# Altium PCB LAB_B3_209_V1.PcbDoc (part 1 of 4) (continued)
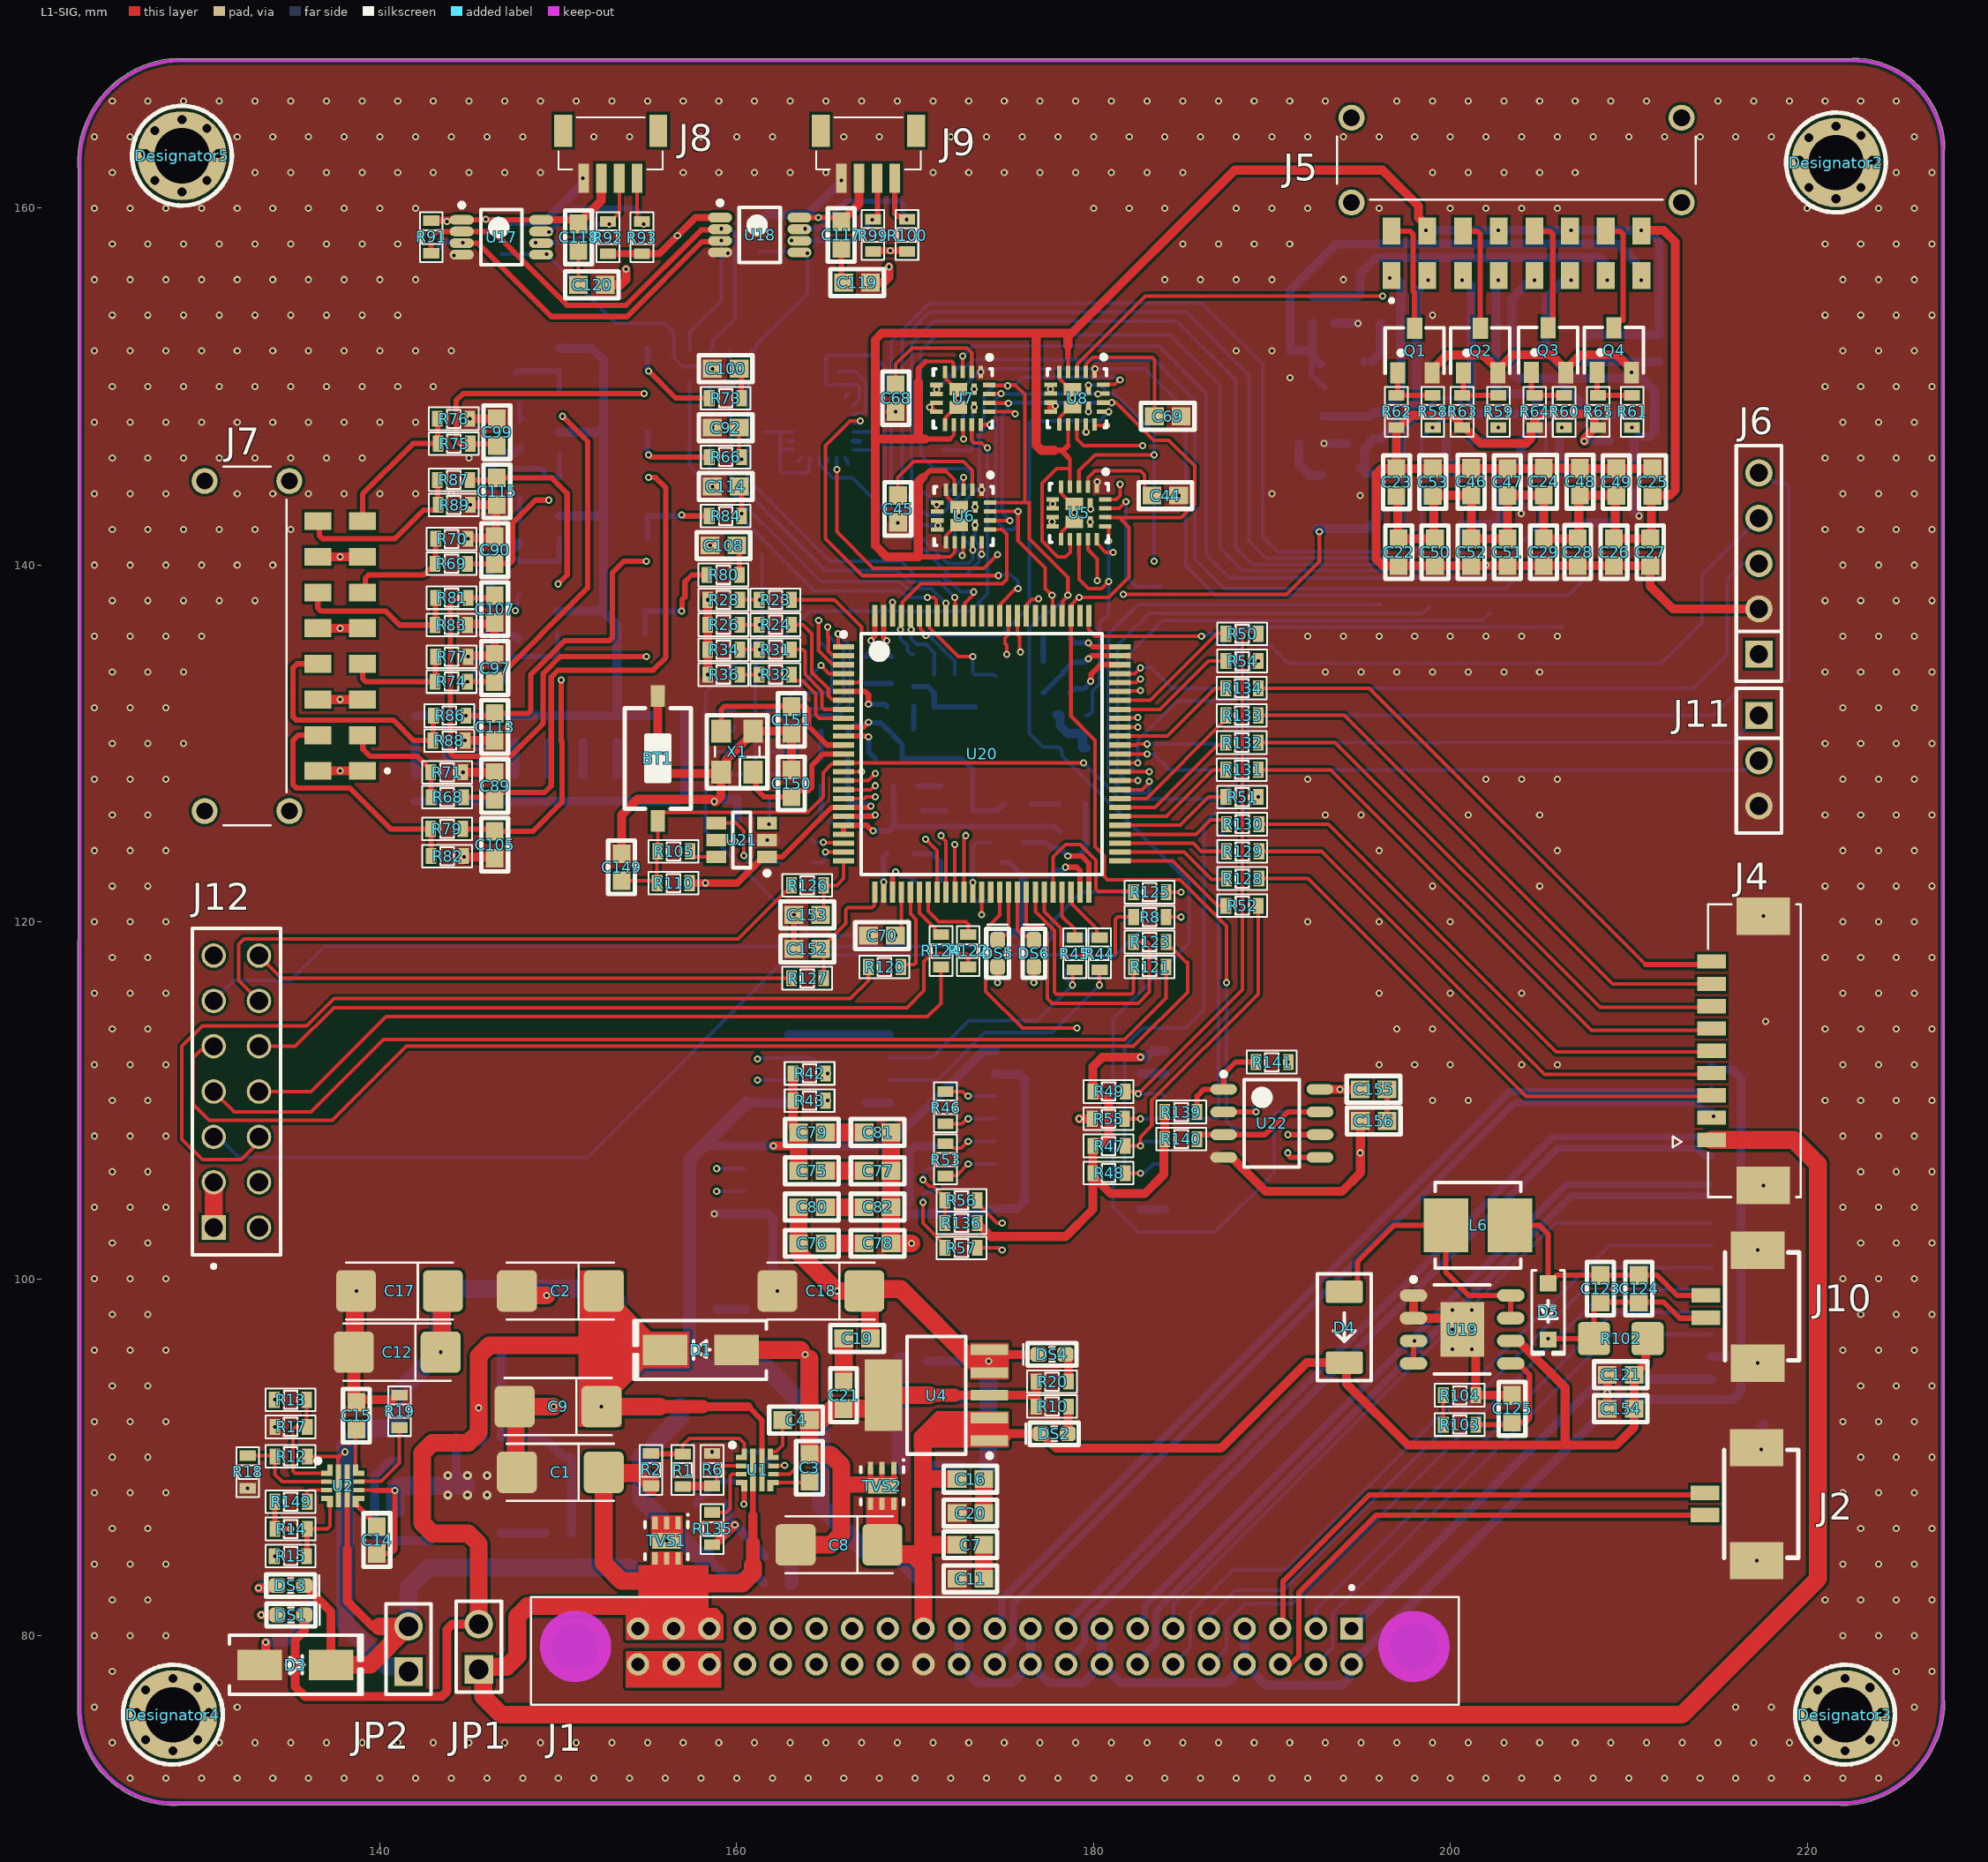
[diagram p0: L1-SIG view]
## Components (designator, comment, footprint, x,y, rotation, side; value= is the part's Value field where it differs from the comment) (continued)
D2 "SS54" "DIODE SMA" 152.653,90.043 r180 bottom
D3 "SS54" "DIODE SMA" 135.255,78.359 r0 top
D4 "SS54" "DO-214AC-2 (SMA)" 194.056,97.282 r270 top
D5 "1N4148W-TP" "DIODE SOD-123" 205.486,98.171 r270 top
Designator2 "Comment" HOLE 224.282,162.941 r0 top
Designator3 "Comment" HOLE 224.79,75.946 r0 top
Designator4 "Comment" HOLE 131.064,75.946 r0 top
Designator5 "Comment" HOLE 131.572,163.322 r0 top
DS1 "RED" LED-SMD-0603 135.013,81.153 r180 top
DS2 "RED" LED-SMD-0603 177.8,91.313 r0 top
DS3 "RED" LED-SMD-0603 135.001,82.804 r180 top
DS4 "YELLOW" LED-SMD-0603 177.673,95.758 r0 top
DS5 "GREEN" LED-SMD-0603 174.625,118.237 r270 top
DS6 "BLUE" LED-SMD-0603 176.657,118.237 r270 top
J1 "M80-5114242" HARWIN_M80-5114242 174.466,79.391 r180 top
J2 "0532610271" CON4_653104131822_SMD 215.72,88.626 r90 top
J3 "532611571" MOLEX_532611571 217.043,103.124 r270 bottom
J4 "532610971" MOLEX_532610971 217.043,112.776 r90 top
J5 "M80-6661642" HARWIN_M80-6661642 203.708,163.068 r180 top
J6 "JP5" "JP 1x5 CT" 217.297,135.001 r90 top
J7 "M80-6661642" HARWIN_M80-6661642 132.175,135.461 r270 top
J8 "BM04B-SRSS-TB" BM04B-SRSS-TB 151.543,161.671 r0 top
J9 "BM04B-SRSS-TB" BM04B-SRSS-TB 165.989,161.671 r0 top
J10 "532610271" CON4_653104131822_SMD 215.773,99.695 r90 top
J11 "JP3" "JP 1x3 CT" 217.297,131.572 r270 top
J12 "ESQ-107-48-G-D" SAMTEC_ESQ-107-48-G-D 130.683,102.87 r270 top
JP1 "JP 1x2 2.54" "JP 1x2 DT" 145.541,78.105 r90 top
JP2 "JP 1x2 2.54" "JP 1x2 DT" 141.604,77.978 r90 top
L1 "INDUCT-SMD" "INDUCTOR-FIXED IND 22UH 2.5A 170 MOHM SMD" 146.303,96.139 r180 bottom
L2 "1uH" "INDUCTOR-FIXED IND 1UH 4A 38 MOHM SMD" 192.532,143.51 r270 bottom
L3 "1uH" "INDUCTOR-FIXED IND 1UH 4A 38 MOHM SMD" 200.66,143.764 r270 bottom
L4 "1uH" "INDUCTOR-FIXED IND 1UH 4A 38 MOHM SMD" 207.264,143.764 r270 bottom
L5 "1uH" "INDUCTOR-FIXED IND 1UH 4A 38 MOHM SMD" 194.183,151.257 r180 bottom
L6 "82uH" INDUCTOR-SRR4828A-820M 201.549,102.997 r0 top
L7 "10uH/250mA" INDUCT-SMD-0603 178.816,125.095 r180 bottom
Q1 "AO3400A" SOT-23 197.993,152.019 r0 top
Q2 "AO3400A" SOT-23 201.676,152.019 r0 top
Q3 "AO3400A" SOT-23 205.481,152.039 r0 top
Q4 "AO3400A" SOT-23 209.164,152.039 r0 top
R1 "11K" RES-SMD-0603 156.971,89.281 r270 top
R2 "470K" RES-SMD-0603 155.193,89.281 r90 top
R3 "10K" RES-SMD-0603 158.622,87.376 r180 bottom
R4 "22R" RES-SMD-0603 158.622,88.646 r180 bottom
R5 "4.7K" RES-SMD-0603 135.255,81.153 r180 bottom
R6 "47K" RES-SMD-0603 158.622,89.281 r90 top
R7 "1K" RES-SMD-0603 159.511,90.297 r0 bottom
R8 "22R" RES-SMD-0603 183.134,120.269 r0 top
R9 "10K" RES-SMD-0603 140.969,90.678 r90 bottom
R10 "2.2K" RES-SMD-0603 177.673,92.837 r0 top
R11 "3.24K" RES-SMD-0603 140.969,86.233 r270 bottom
R12 "470K" RES-SMD-0603 135.001,90.043 r0 top
R13 "120R" RES-SMD-0603 135.001,93.218 r180 top
R14 "10K" RES-SMD-0603 135.001,85.979 r0 top
R15 "22R" RES-SMD-0603 135.001,84.455 r180 top
R16 "2.2K" RES-SMD-0603 135.255,82.804 r180 bottom
R17 "10K" RES-SMD-0603 135.001,91.694 r0 top
R18 "130K" RES-SMD-0603 132.588,89.154 r90 top
R19 "1K" RES-SMD-0603 141.096,92.583 r270 top
R20 "2.2K" RES-SMD-0603 177.673,94.234 r0 top
R21 "22R" RES-SMD-0603 160.782,131.826 r180 bottom
R22 "22R" RES-SMD-0603 160.782,130.683 r180 bottom
R23 "22R" RES-SMD-0603 162.179,138.049 r180 top
R24 "22R" RES-SMD-0603 162.179,136.652 r180 top
R25 "10K" RES-SMD-0603 157.988,130.683 r0 bottom
R26 "10K" RES-SMD-0603 159.258,136.652 r0 top
R27 "10K" RES-SMD-0603 157.988,131.826 r0 bottom
R28 "10K" RES-SMD-0603 159.258,138.049 r0 top
R29 "22R" RES-SMD-0603 160.782,128.27 r180 bottom
R30 "22R" RES-SMD-0603 160.782,129.54 r180 bottom
R31 "22R" RES-SMD-0603 162.179,135.255 r180 top
R32 "22R" RES-SMD-0603 162.179,133.858 r180 top
R33 "10K" RES-SMD-0603 157.988,128.27 r0 bottom
R34 "10K" RES-SMD-0603 159.258,135.255 r0 top
R35 "10K" RES-SMD-0603 157.988,129.54 r0 bottom
R36 "10K" RES-SMD-0603 159.258,133.858 r0 top
R37 "4.7K" RES-SMD-0603 164.846,150.876 r180 bottom
R38 "4.7K" RES-SMD-0603 177.927,130.683 r90 bottom
R39 "22R" RES-SMD-0603 161.544,146.558 r90 bottom
R40 "4.7K" RES-SMD-0603 179.959,118.237 r90 bottom
R41 "4.7K" RES-SMD-0603 178.435,118.237 r90 bottom
R42 "10K" RES-SMD-0603 164.084,111.506 r180 top
R43 "10K" RES-SMD-0603 164.084,109.982 r180 top
R44 "22R" RES-SMD-0603 180.34,118.237 r270 top
R45 "22R" RES-SMD-0603 178.943,118.237 r270 top
R46 "120R" RES-SMD-0603 171.704,109.601 r270 top
R47 "4.7K" RES-SMD-0603 180.848,107.442 r0 top
R48 "4.7K" RES-SMD-0603 180.848,105.918 r0 top
R49 "4.7K" RES-SMD-0603 180.848,110.49 r0 top
R50 "22R" RES-SMD-0603 188.341,136.144 r180 top
R51 "22R" RES-SMD-0603 188.341,127 r180 top
R52 "22R" RES-SMD-0603 188.341,120.904 r180 top
R53 "120R" RES-SMD-0603 171.704,106.68 r270 top
R54 "22R" RES-SMD-0603 188.341,134.62 r180 top
R55 "4.7K" RES-SMD-0603 180.848,108.966 r180 top
R56 "22R" RES-SMD-0603 172.593,104.394 r180 top
R57 "22R" RES-SMD-0603 172.593,101.727 r180 top
R58 "120R" RES-SMD-0603 199.009,148.59 r90 top
R59 "120R" RES-SMD-0603 202.692,148.59 r90 top
R60 "120R" RES-SMD-0603 206.375,148.59 r90 top
R61 "120R" RES-SMD-0603 210.185,148.59 r90 top
R62 "10K" RES-SMD-0603 196.977,148.59 r90 top
R63 "10K" RES-SMD-0603 200.66,148.59 r90 top
R64 "10K" RES-SMD-0603 204.724,148.59 r90 top
R65 "10K" RES-SMD-0603 208.28,148.59 r90 top
R66 "22R" RES-SMD-0603 159.385,146.05 r180 top
R67 "22R" RES-SMD-0603 147.828,144.653 r270 bottom
R68 "22R" RES-SMD-0603 143.764,126.988 r0 top
R69 "22R" RES-SMD-0603 144.018,140.069 r180 top
R70 "10K" RES-SMD-0603 144.018,141.466 r0 top
R71 "10K" RES-SMD-0603 143.764,128.385 r180 top
R72 "22R" RES-SMD-0603 147.828,149.987 r270 bottom
R73 "22R" RES-SMD-0603 159.385,149.352 r180 top
R74 "22R" RES-SMD-0603 144.018,133.465 r180 top
R75 "22R" RES-SMD-0603 144.145,146.8 r0 top
R76 "10K" RES-SMD-0603 144.145,148.197 r180 top
R77 "10K" RES-SMD-0603 144.018,134.862 r0 top
R78 "22R" RES-SMD-0603 146.304,134.747 r180 bottom
R79 "22R" RES-SMD-0603 143.764,125.21 r180 top
R80 "22R" RES-SMD-0603 159.258,139.446 r180 top
R81 "22R" RES-SMD-0603 144.018,138.164 r0 top
R82 "10K" RES-SMD-0603 143.764,123.686 r0 top
R83 "10K" RES-SMD-0603 144.018,136.64 r180 top
R84 "22R" RES-SMD-0603 159.385,142.748 r180 top
R85 "22R" RES-SMD-0603 147.828,139.319 r270 bottom
R86 "22R" RES-SMD-0603 143.891,131.56 r0 top
R87 "22R" RES-SMD-0603 144.145,144.768 r180 top
R88 "10K" RES-SMD-0603 143.891,130.163 r180 top
R89 "10K" RES-SMD-0603 144.145,143.371 r0 top
R90 "4.7K" RES-SMD-0603 142.875,158.369 r90 bottom
R91 "4.7K" RES-SMD-0603 142.875,158.369 r90 top
R92 "4.7K" RES-SMD-0603 152.781,158.369 r270 top
R93 "4.7K" RES-SMD-0603 154.686,158.369 r270 top
R94 "22R" RES-SMD-0603 158.496,151.13 r90 bottom
R95 "22R" RES-SMD-0603 157.353,151.13 r90 bottom
R96 "22R" RES-SMD-0603 159.639,151.13 r90 bottom
R97 "22R" RES-SMD-0603 160.782,151.13 r270 bottom
R98 "10K" RES-SMD-0603 146.812,158.369 r270 bottom
R99 "4.7K" RES-SMD-0603 167.64,158.496 r270 top
R100 "4.7K" RES-SMD-0603 169.545,158.496 r270 top
R101 "10K" RES-SMD-0603 161.29,158.496 r270 bottom
R102 "0.2R" RES_1206 209.55,96.647 r180 top
R103 "1K" RES-SMD-0603 200.533,91.821 r180 top
R104 "10K" RES-SMD-0603 200.533,93.472 r180 top
R105 "22R" RES-SMD-0603 156.464,123.952 r0 top
R106 "22R" RES-SMD-0603 163.322,124.587 r180 bottom
R107 "22R" RES-SMD-0603 163.322,123.317 r180 bottom
R108 "16.5k 1%" RES-SMD-0603 160.909,125.73 r0 bottom
R109 "19.1k 1%" RES-SMD-0603 160.909,126.873 r0 bottom
R110 "10K" RES-SMD-0603 156.464,122.174 r180 top
R111 "2.2K" RES-SMD-0603 174.625,118.491 r270 bottom
R112 "2.2K" RES-SMD-0603 176.657,118.491 r90 bottom
R113 "22R" RES-SMD-0603 188.341,130.048 r180 bottom
R114 "22R" RES-SMD-0603 188.379,128.524 r180 bottom
R115 "22R" RES-SMD-0603 188.341,133.096 r180 bottom
R116 "22R" RES-SMD-0603 188.341,135.509 r180 bottom
R117 "22R" RES-SMD-0603 188.341,131.572 r180 bottom
R118 "10K/DNP" RES-SMD-0603 173.355,132.969 r270 bottom
R119 "10K" RES-SMD-0603 174.498,132.842 r90 bottom
R120 "22R" RES-SMD-0603 168.275,117.475 r0 top
R121 "22R" RES-SMD-0603 183.134,117.475 r0 top
R122 "22R" RES-SMD-0603 172.974,118.364 r90 top
R123 "22R" RES-SMD-0603 183.134,118.872 r0 top
R124 "22R" RES-SMD-0603 171.45,118.364 r90 top
R125 "22R" RES-SMD-0603 183.134,121.666 r0 top
R126 "22R" RES-SMD-0603 163.957,122.047 r0 top
R127 "22R" RES-SMD-0603 163.957,116.84 r0 top
R128 "22R" RES-SMD-0603 188.341,122.428 r0 top
R129 "22R" RES-SMD-0603 188.341,123.952 r0 top
R130 "22R" RES-SMD-0603 188.341,125.476 r0 top
R131 "22R" RES-SMD-0603 188.303,128.524 r0 top
R132 "22R" RES-SMD-0603 188.303,130.048 r0 top
R133 "22R" RES-SMD-0603 188.303,131.572 r0 top
R134 "22R" RES-SMD-0603 188.303,133.096 r0 top
R135 "10K" RES-SMD-0603 158.622,85.979 r90 top
R136 "4.7K" RES-SMD-0603 172.593,103.124 r180 top
R137 "10K/DNP" RES-SMD-0603 175.133,124.46 r0 bottom
R138 "10K/DNP" RES-SMD-0603 175.133,121.158 r0 bottom
R139 "4.7K" RES-SMD-0603 184.912,109.347 r180 top
R140 "4.7K" RES-SMD-0603 184.912,107.823 r180 top
R141 "22R" RES-SMD-0603 189.992,112.141 r0 top
R142 "22R" RES-SMD-0603 189.992,108.077 r180 bottom
R143 "22R" RES-SMD-0603 189.992,106.934 r180 bottom
R144 "22R" RES-SMD-0603 189.992,109.347 r0 bottom
R145 "4.7K" RES-SMD-0603 179.578,130.683 r270 bottom
R146 "4.7K" RES-SMD-0603 169.926,134.112 r270 bottom
R147 "4.7K" RES-SMD-0603 171.069,132.969 r270 bottom
R148 "4.7K" RES-SMD-0603 172.212,132.969 r270 bottom
R149 "10K" RES-SMD-0603 135.001,87.503 r0 top
TVS1 "TVS2200DRVR" TVS2200DRVR 156.067,85.323 r270 top
TVS2 "TVS2200DRVR" TVS2200DRVR 168.147,88.392 r270 top
TVS3 "DIODE-S2303" "DIODE SOT23" 153.797,157.861 r0 bottom
TVS4 "DIODE-S2303" "DIODE SOT23" 168.529,158.115 r0 bottom
U1 "TPS259470ARPWR" VQFN-HR-10 161.158,89.281 r0 top
U2 "TPS259470ARPWR" VQFN-HR-10 137.921,88.392 r0 top
U3 "TPS5430DDAR" TPS5430DDAR 144.906,88.425 r90 bottom
U4 "TPS7A4533DCQR" TPS7A4533DCQR 171.196,93.472 r180 top
U5 "LT8722AV#PBF" LT8722AV#PBF 179.181,142.924 r270 top
U6 "LT8722AV#PBF" LT8722AV#PBF 172.72,142.748 r270 top
U7 "LT8722AV#PBF" LT8722AV#PBF 172.671,149.34 r270 top
U8 "LT8722AV#PBF" LT8722AV#PBF 179.07,149.352 r270 top
U9 "ADG1414BCPZ-REEL7" ADG1414BCPZ-REEL7 164.846,147.701 r90 bottom
U11 "ISO1042BQDWVRQ1" ISO1042BQDWVRQ1 165.735,105.537 r180 bottom
U12 "ISO1432DW" ISO1432DW 179.248,108.331 r180 bottom
U13 "OPA2340UA" SOIC-8 152.527,145.542 r270 bottom
U14 "OPA2340UA" SOIC-8 152.527,150.241 r270 bottom
U15 "OPA2340UA" SOIC-8 152.4,135.509 r270 bottom
U16 "OPA2340UA" SOIC-8 152.527,140.843 r270 bottom
U17 "PCA9508DP,118" PCA9508DP,118 146.812,158.369 r0 top
U18 "PCA9508DP,118" PCA9508DP,118 161.29,158.496 r0 top
U19 "AL8843SP-13" AL8843SP-13 200.66,97.155 r0 top
U20 "STM32F407VGT7" STM-LQFP100_V 173.736,129.413 r0 top
U21 "TPL5010DDCR" TPL5010DDCR 160.274,124.587 r180 top
U22 "MB85RS2MTAPNF-G-BDERE1" MB85RS2MTAPNF-G-BDERE1 189.992,108.712 r0 top
X1 "8MHz" CRYSTAL-4POS-3.2x2.5 160.02,129.54 r90 top

## Footprints (in the part's own frame and the unit in brackets; to place one, negate y for a bottom-side part, rotate by r counter-clockwise, add the part's x,y. Pads: shape width x height; smd on the part's side, far side on the other; paste and mask are expansions set on the pad)
ADG1414BCPZ-REEL7 [mm] "PQFN, 24-Leads, Body 4.00x4.00mm, Pitch 0.50mm, Thermal Pad 2.50x2.50mm, IPC Medium Density"
  oval 0.4x0.35 smd: 1(-1.7,1.25) 2(-1.7,0.75) 3(-1.7,0.25) 4(-1.7,-0.25) 5(-1.7,-0.75) 6(-1.7,-1.25) 13(1.7,-1.25) 14(1.7,-0.75) 15(1.7,-0.25) 16(1.7,0.25) 17(1.7,0.75) 18(1.7,1.25)
  oval 0.35x0.4 smd: 7(-1.25,-1.7) 8(-0.75,-1.7) 9(-0.25,-1.7) 10(0.25,-1.7) 11(0.75,-1.7) 12(1.25,-1.7) 19(1.25,1.7) 20(0.75,1.7) 21(0.25,1.7) 22(-0.25,1.7) 23(-0.75,1.7) 24(-1.25,1.7)
  rect 2.5x2.5 smd: 25(0,0)
  silkscreen extent -2.77,-2 2,2, body extent -2,-2 2,2, height 0.75
ADUM1250WSRZ [mm]
  oval 1.65x0.6 smd: 1(-2.825,1.905) 2(-2.825,0.635) 3(-2.825,-0.635) 4(-2.825,-1.905) 5(2.825,-1.905) 6(2.825,-0.635) 7(2.825,0.635) 8(2.825,1.905)
  silkscreen extent -2.95,-2.5 1.6,2.88, body extent -3,-2.5 3,2.5, height 1.75
AL8843SP-13 [mm]
  oval 1.55x0.7 smd: 1(-2.725,1.905) 2(-2.725,0.635) 3(-2.725,-0.635) 4(-2.725,-1.905) 5(2.725,-1.905) 6(2.725,-0.635) 7(2.725,0.635) 8(2.725,1.905)
  rect 2.45x3.05 smd: 9(0,0)
  silkscreen extent -2.85,-2.5 1.55,2.93, body extent -3.05,-2.5 3.05,2.5, height 1.63
BM04B-SRSS-TB [mm]
  rect 0.6x1.64 smd: 1(-0.127,0) 2(0.873,0) 3(1.873,0) 4(2.873,0)
  rect 1x1.8 smd: MH(-1.27,2.667) MH(4.064,2.667)
  silkscreen extent -1.52,0.51 4.32,3.43, body extent -1.52,0.51 4.32,3.43, height 6.3
CAP-CER-0603 [mm] "Chip Capacitor, 2-Leads, Body 1.60x0.80mm, IPC Medium Density"
  rect 1.05x1 smd: 1(-0.75,0) 2(0.75,0)
  silkscreen extent -1.5,-0.75 1.5,0.75, body extent -0.87,-0.48 0.87,0.48, height 0.95
CAP-TAN-2312 [mm]
  rrect25% 2.24x2.32 smd: 1(-2.435,0) 2(2.435,0)
  silkscreen extent -3,-1.6 3,1.6, body extent -3,-1.6 3,1.6, height 2.8
CON4_653104131822_SMD [mm] "CONNECTOR"
  rect 0.81x1.6 smd: 1(-1.875,1.45) 2(-0.625,1.45)
  rect 2.1x3 smd: 3(-4.425,-1.45) 4(1.905,-1.45)
  silkscreen extent -4.27,-3.78 1.78,0.38, body extent -4.19,-3.73 1.65,0.43, height 1.25
CRYSTAL-4POS-3.2x2.5 [mm]
  rect 1.3x1.1 smd: 1(-1.15,-0.9) 2(1.15,-0.9) 3(1.15,0.9) 4(-1.15,0.9)
  silkscreen extent -2.06,-1.73 2.05,1.7, body extent -1.6,-1.25 1.6,1.25, height 0.8
"DIODE SMA" [mm] "SMA"
  rect 2.5x1.7 smd: 1(-2,0) 2(2,0)
  silkscreen extent -3.68,-1.65 3.75,1.65, body extent -2.6,-1.37 2.6,1.37, height 2.4
"DIODE SOD-123" [mm] "SOD-123"
  rect 0.9x0.95 smd: 1(-1.575,0) 2(1.575,0)
  silkscreen extent -2.3,-0.92 2.41,0.92, body extent -1.86,-0.78 1.86,0.77, height 1.35
"DIODE SOT23" [mm] "SOT 23 _ 1-3-2"
  rect 0.85x1.2 smd: 1(-0.94,-1.245) 2(0.985,-1.25) 3(0.005,1.25)
  silkscreen extent -1.65,-1.27 1.65,1.27, body extent -1.47,-1.33 1.53,1.17, height 1.06
"DO-214AC-2 (SMA)" [mm]
  rrect25% 1.27x2.1 smd: A(-1.985,0) K(1.985,0)
  silkscreen extent -3,-1.5 3,1.5, body extent -2.6,-1.3 2.6,1.3, height 2.42
HARWIN_M80-5114242 [mm]
  rect 1.258x1.258 / inner round 1.258 / far side rect 1.258x1.258 hole 0.75: 1(-20,-1)
  round 1.258 hole 0.75: 2(-18,-1) 3(-16,-1) 4(-14,-1) 5(-12,-1) 6(-10,-1) 7(-8,-1) 8(-6,-1) 9(-4,-1) 10(-2,-1) 11(0,-1) 12(2,-1) 13(4,-1) 14(6,-1) 15(8,-1) 16(10,-1) 17(12,-1) 18(14,-1) 19(16,-1) 20(18,-1) 21(20,-1) 22(-20,1) 23(-18,1) 24(-16,1) 25(-14,1) 26(-12,1) 27(-10,1) 28(-8,1) 29(-6,1) 30(-4,1) 31(-2,1) 32(0,1) 33(2,1) 34(4,1) 35(6,1) 36(8,1) 37(10,1) 38(12,1) 39(14,1) 40(16,1) 41(18,1) 42(20,1)
  round 2.3 hole 2.3 unplated: ""(-23.5,0) ""(23.5,0)
  Keep-Out Layer circle w2: c23.5,0 r1
  Keep-Out Layer circle w2: c-23.5,0 r1
  Keep-Out Layer circle w2: c-23.5,0 r1
  Keep-Out Layer circle w2: c23.5,0 r1
  silkscreen extent -26,-3.4 26,3.27
HARWIN_M80-6661642 [mm]
  rect 1x1.5 smd: 1(7,6.85) 2(5,6.85) 3(3,6.85) 4(1,6.85) 5(-1,6.85) 6(-3,6.85) 7(-5,6.85) 8(-7,6.85) 9(7,4.35) 10(5,4.35) 11(3,4.35) 12(1,4.35) 13(-1,4.35) 14(-3,4.35) 15(-5,4.35) 16(-7,4.35)
  round 1.458 hole 0.95: SH1(-9.25,2.75) SH2(9.25,2.75) SH3(-9.25,-2) SH4(9.25,-2)
  silkscreen extent -10.05,-0.95 10.05,8.35
HOLE [mm]
  round 0.5 hole 0.5: Hole(-4.699,-0.254) Hole(-4.191,-1.778) Hole(-4.191,1.016) Hole(-2.667,-2.413) Hole(-2.667,1.651) Hole(-1.27,-1.778) Hole(-1.27,1.143) Hole(-0.635,-0.254)
  round 5 hole 3.1: Hole(-2.667,-0.381)
  silkscreen extent -5.46,-3.18 0.13,2.41
INDUCT-SMD-0603 [mm]
  rect 1x0.97 smd: 1(-0.735,0) 2(0.735,0)
  body extent -0.8,-0.4 0.8,0.4, height 0.95
"INDUCTOR-FIXED IND 1UH 4A 38 MOHM SMD" [mm]
  rect 1.85x3 smd: 1(-1.475,0) 2(1.475,0)
  silkscreen extent -0.15,-1.75 0.15,1.75, body extent -1.85,-1.75 1.85,1.75, height 2.1
"INDUCTOR-FIXED IND 22UH 2.5A 170 MOHM SMD" [mm]
  rect 2.7x3.1 smd: 1(-2.95,0) 2(2.95,0)
  silkscreen extent -3.65,-3.3 3.65,3.3, body extent -3.75,-3.3 3.75,3.3, height 4.9
INDUCTOR-SRR4828A-820M [mm] "Precision Wire Wound Inductor, 2-Leads, Body 4.80x4.80mm, IPC Medium Density"
  rect 2.5x3 smd: 1(-1.8,0) 2(1.8,0)
  silkscreen extent -2.4,-2.4 2.4,2.4, body extent -2.5,-2.4 2.5,2.4, height 2.9
ISO1042BQDWVRQ1 [mm]
  oval 1.8x0.6 smd: 1(-5.3,1.905) 2(-5.3,0.635) 3(-5.3,-0.635) 4(-5.3,-1.905) 5(5.3,-1.905) 6(5.3,-0.635) 7(5.3,0.635) 8(5.3,1.905)
  silkscreen extent -5.43,-3 4,3, body extent -5.75,-3 5.75,3, height 2.8
ISO1432DW [mm]
  rect 1.9x0.6 smd: 1(-4.75,4.445) 2(-4.75,3.175) 3(-4.75,1.905) 4(-4.75,0.635) 5(-4.75,-0.635) 6(-4.75,-1.905) 7(-4.75,-3.175) 8(-4.75,-4.445) 9(4.75,-4.445) 10(4.75,-3.175) 11(4.75,-1.905) 12(4.75,-0.635) 13(4.75,0.635) 14(4.75,1.905) 15(4.75,3.175) 16(4.75,4.445)
  silkscreen extent -4.88,-5.25 3.4,5.42, body extent -5.15,-5.25 5.15,5.25, height 2.65
"JP 1x2 DT" [mm] "2 pins, 1 row, straight, gold plating"
  rect 1.6x1.6 hole 1.1: 1(0,0)
  round 1.6 hole 1.1: 2(2.54,0)
  silkscreen extent -1.27,-1.27 3.81,1.27, body extent -1.27,-1.27 3.81,1.27, height 8.54
"JP 1x3 CT" [mm]
  rect 1.52x1.52 hole 1.02: 1(0,0)
  round 1.52 hole 1.02: 2(2.54,0) 3(5.08,0)
  silkscreen extent -1.52,-1.27 6.6,1.27, body extent -1.52,-1.25 6.6,1.25, height 8.51
"JP 1x5 CT" [mm]
  rect 1.52x1.52 hole 1.02: 1(0,0)
  round 1.52 hole 1.02: 2(2.54,0) 3(5.08,0) 4(7.62,0) 5(10.16,0)
  silkscreen extent -1.52,-1.27 11.68,1.27, body extent -1.52,-1.25 11.68,1.25, height 8.51
LED-SMD-0603 [mm]
  rrect53% 0.91x0.83 smd: A(-0.75,0) K(0.75,0)
  silkscreen extent -1.6,-0.64 1.37,0.64, body extent -0.8,-0.4 0.8,0.4, height 0.7
LT8722AV#PBF [mm] "QFN, 18-Leads, Body 3.00x3.00mm, Pitch 0.50mm, Thermal Pad 1.90x1.90mm, IPC Medium Density"
  rect 0.7x0.25 smd: 1(-1.475,1) 2(-1.475,0.5) 3(-1.475,0) 4(-1.475,-0.5) 5(-1.475,-1) 10(1.475,-1) 11(1.475,-0.5) 12(1.475,0) 13(1.475,0.5) 14(1.475,1)
  rect 0.25x0.7 smd: 6(-0.75,-1.475) 7(-0.25,-1.475) 8(0.25,-1.475) 9(0.75,-1.475) 15(0.75,1.475) 16(0.25,1.475) 17(-0.25,1.475) 18(-0.75,1.475)
  rect 0.65x0.3 smd: 19(-0.508,0.635) 20(0.508,0.635)
  rect 0.7x1 smd: 21(-0.508,-0.254) 22(0.508,-0.254)
  silkscreen extent -2.42,-1.65 1.65,1.65, body extent -1.52,-1.52 1.52,1.52, height 0.95
MB85RS2MTAPNF-G-BDERE1 [mm] "SOP, 8-Leads, Body 4.90x3.90mm, Pitch 1.27mm, IPC Medium Density"
  oval 1.5x0.6 smd: 1(-2.7,1.905) 2(-2.7,0.635) 3(-2.7,-0.635) 4(-2.7,-1.905) 5(2.7,-1.905) 6(2.7,-0.635) 7(2.7,0.635) 8(2.7,1.905)
  silkscreen extent -2.82,-2.45 1.55,2.88, body extent -3,-2.45 3,2.45, height 1.73
MOLEX_532610971 [mm]
  rect 0.8x1.6 smd mask+0.076: 1(-5,2.4) 2(-3.75,2.4) 3(-2.5,2.4) 4(-1.25,2.4) 5(0,2.4) 6(1.25,2.4) 7(2.5,2.4) 8(3.75,2.4) 9(5,2.4)
  rect 2.1x3 smd mask+0.076: S1(-7.55,-0.5) S2(7.55,-0.5)
  silkscreen extent -8.2,-2.6 8.2,4.57
MOLEX_532611571 [mm]
  rect 0.8x1.6 smd mask+0.076: 1(-8.75,2.4) 2(-7.5,2.4) 3(-6.25,2.4) 4(-5,2.4) 5(-3.75,2.4) 6(-2.5,2.4) 7(-1.25,2.4) 8(0,2.4) 9(1.25,2.4) 10(2.5,2.4) 11(3.75,2.4) 12(5,2.4) 13(6.25,2.4) 14(7.5,2.4) 15(8.75,2.4)
  rect 2.1x3 smd mask+0.076: S1(-11.3,-0.5) S2(11.3,-0.5)
  silkscreen extent -11.95,-2.6 11.95,4.64
PCA9508DP,118 [mm]
  oval 1.35x0.55 smd: 1(-2.225,0.975) 2(-2.225,0.325) 3(-2.225,-0.325) 4(-2.225,-0.975) 5(2.225,-0.975) 6(2.225,-0.325) 7(2.225,0.325) 8(2.225,0.975)
  silkscreen extent -2.35,-1.55 1.15,1.92, body extent -2.45,-1.55 2.45,1.55, height 1.1
RES-SMD-0603 [mm]
  rect 0.6x0.9 smd: 1(-0.889,0) 2(0.927,0)
  silkscreen extent -1.4,-0.64 1.4,0.64, body extent -0.8,-0.4 0.8,0.4, height 0.43
RES_1206 [mm]
  rrect25% 1.8x1.84 smd: 1(-1.5,0) 2(1.5,0)
  body extent -1.6,-0.83 1.6,0.83, height 0.57
SAMTEC_ESQ-107-48-G-D [mm]
  rect 1.37x1.37 hole 1.02: 01(0,0)
  round 1.37 hole 1.02: 02(0,2.54) 03(-2.54,0) 04(-2.54,2.54) 05(-5.08,0) 06(-5.08,2.54) 07(-7.62,0) 08(-7.62,2.54) 09(-10.16,0) 10(-10.16,2.54) 11(-12.7,0) 12(-12.7,2.54) 13(-15.24,0) 14(-15.24,2.54)
  silkscreen extent -16.77,-1.2 2.27,3.74
SOIC-8 [mm] "SOIC-8"
  rrect49% 0.57x1.96 smd: 1(-1.905,-2.47) 2(-0.635,-2.47) 3(0.635,-2.47) 4(1.905,-2.47) 5(1.905,2.47) 6(0.635,2.47) 7(-0.635,2.47) 8(-1.905,2.47)
  silkscreen extent -2.77,-2.67 2.5,2, body extent -2.45,-3.08 2.45,2.92, height 1.63
SOT-23 [mm] "SOT 23 _ 1-3-2"
  rect 0.85x1.2 smd: 1(-0.94,-1.245) 2(0.985,-1.25) 3(0.005,1.25)
  silkscreen extent -1.65,-1.27 1.65,1.27, body extent -1.47,-1.33 1.53,1.17, height 1.06
STM-LQFP100_V [mm] "Thin QFP, 100-Leads, Body 14x14mm, Pitch 0.5mm, ST Recommended"
  rect 1.2x0.3 smd: 1(-7.75,6) 2(-7.75,5.5) 3(-7.75,5) 4(-7.75,4.5) 5(-7.75,4) 6(-7.75,3.5) 7(-7.75,3) 8(-7.75,2.5) 9(-7.75,2) 10(-7.75,1.5) 11(-7.75,1) 12(-7.75,0.5) 13(-7.75,0) 14(-7.75,-0.5) 15(-7.75,-1) 16(-7.75,-1.5) 17(-7.75,-2) 18(-7.75,-2.5) 19(-7.75,-3) 20(-7.75,-3.5) 21(-7.75,-4) 22(-7.75,-4.5) 23(-7.75,-5) 24(-7.75,-5.5) 25(-7.75,-6) 51(7.75,-6) 52(7.75,-5.5) 53(7.75,-5) 54(7.75,-4.5) 55(7.75,-4) 56(7.75,-3.5) 57(7.75,-3) 58(7.75,-2.5) 59(7.75,-2) 60(7.75,-1.5) 61(7.75,-1) 62(7.75,-0.5) 63(7.75,0) 64(7.75,0.5) 65(7.75,1) 66(7.75,1.5) 67(7.75,2) 68(7.75,2.5) 69(7.75,3) 70(7.75,3.5) 71(7.75,4) 72(7.75,4.5) 73(7.75,5) 74(7.75,5.5) 75(7.75,6)
  rect 0.3x1.2 smd: 26(-6,-7.75) 27(-5.5,-7.75) 28(-5,-7.75) 29(-4.5,-7.75) 30(-4,-7.75) 31(-3.5,-7.75) 32(-3,-7.75) 33(-2.5,-7.75) 34(-2,-7.75) 35(-1.5,-7.75) 36(-1,-7.75) 37(-0.5,-7.75) 38(0,-7.75) 39(0.5,-7.75) 40(1,-7.75) 41(1.5,-7.75) 42(2,-7.75) 43(2.5,-7.75) 44(3,-7.75) 45(3.5,-7.75) 46(4,-7.75) 47(4.5,-7.75) 48(5,-7.75) 49(5.5,-7.75) 50(6,-7.75) 76(6,7.75) 77(5.5,7.75) 78(5,7.75) 79(4.5,7.75) 80(4,7.75) 81(3.5,7.75) 82(3,7.75) 83(2.5,7.75) 84(2,7.75) 85(1.5,7.75) 86(1,7.75) 87(0.5,7.75) 88(0,7.75) 89(-0.5,7.75) 90(-1,7.75) 91(-1.5,7.75) 92(-2,7.75) 93(-2.5,7.75) 94(-3,7.75) 95(-3.5,7.75) 96(-4,7.75) 97(-4.5,7.75) 98(-5,7.75) 99(-5.5,7.75) 100(-6,7.75)
  silkscreen extent -7.87,-6.75 6.75,6.82, body extent -7,-7 7,7, height 1.6
SW-SMD [mm] "Switch SMD type"
  rect 1.2x0.8 smd: 1(-3.5,0) 2(3.5,0)
  silkscreen extent -2.82,-1.85 2.82,1.85, body extent -3.05,-1.85 3.05,1.85, height 2.5
TPL5010DDCR [mm] "SOT23, 6-Leads, Body 3.05x3.05mm, Pitch 0.95mm, IPC Medium Density"
  rect 1.1x0.7 smd: 1(-1.425,0.95) 2(-1.425,0) 3(-1.425,-0.95) 4(1.425,-0.95) 5(1.425,0) 6(1.425,0.95)
  silkscreen extent -1.55,-1.55 0.5,1.97, body extent -1.52,-1.53 1.52,1.53, height 1.1
TPS7A4533DCQR [mm] "SOT223, 6-Leads, Body 6.50x7.06mm (avg), Pitch 1.27mm, IPC Medium Density"
  rect 2.1x0.6 smd: 1(-2.975,2.54) 2(-2.975,1.27) 3(-2.975,0) 4(-2.975,-1.27) 5(-2.975,-2.54)
  rect 2.1x4 smd: 6(2.975,0)
  silkscreen extent -3.1,-3.3 1.65,3.51, body extent -3.53,-3.3 3.53,3.3, height 1.8
TPS5430DDAR [mm]
  rect 1.55x0.6 smd: 1(-2.7,1.905) 2(-2.7,0.635) 3(-2.7,-0.635) 4(-2.7,-1.905) 5(2.7,-1.905) 6(2.7,-0.635) 7(2.7,0.635) 8(2.7,1.905)
  rect 2.6x3.1 smd: 9(0,0)
  silkscreen extent -2.82,-2.5 1.6,2.88, body extent -3,-2.5 3,2.5, height 1.7
TVS2200DRVR [mm] "SON, 6-Leads, Body 2.00x2.00mm, Pitch 0.65mm, Thermal Pad 1.60x0.89mm, IPC Medium Density"
  rect 0.7x0.3 smd: 1(-0.995,0.65) 2(-0.995,0) 3(-0.995,-0.65) 4(0.995,-0.65) 5(0.995,0) 6(0.995,0.65)
  rect 0.89x1.6 smd: 7(0,0)
  silkscreen extent -1.5,-1.2 1.05,1.25, body extent -1.13,-1.05 1.13,1.05, height 0.8
VQFN-HR-10 [mm]
  rect 0.6x0.3 smd: 1(-0.9,0.7) 4(-0.9,-0.7) 7(0.9,-0.7) 10(0.9,0.7)
  rect 0.3x0.65 smd: 1(-0.725,0.875) 10(0.725,0.875)
  rect 0.6x0.25 smd: 2(-0.9,0.225) 3(-0.9,-0.225) 8(0.9,-0.225) 9(0.9,0.225)
  rect 0.35x0.65 smd: 4(-0.725,-0.875) 7(0.725,-0.875)
  rect 0.3x2.4 smd: 5(-0.25,0) 6(0.25,0)
  silkscreen extent -1.5,1.3 -1.3,1.5, body extent -1.05,-1.05 1.05,1.05, height 1.01

## Part data
BT1: library part SW-SMD, "Switch", LatestRevisionDate=17-Jul-2002, LatestRevisionNote="Re-released for DXP Platform.", PackageReference=SPST-2, Published=24-Mar-1999, Publisher="Altium Limited"
C1 C2 C8 C9 C12 C13 C17 C18: library part CAP-TAN
C3 C4 C5 C6 C7 C10 C11 C14 C15 C16 C19 C20 C21 C22 C23 C24 C25 C26 C27 C28 C29 C30 C31 C32 C33 C34 C35 C36 C37 C38 C39 C40 C41 C42 C43 C44 C45 C46 C47 C48 C49 C50 C51 C52 C53 C54 C55 C56 C57 C58 C59 C60 C61 C62 C63 C64 C65 C66 C67 C68 C69 C70 C71 C72 C73 C74 C75 C76 C77 C78 C79 C80 C81 C82 C83 C84 C85 C86 C87 C88 C89 C90 C91 C92 C93 C94 C95 C96 C97 C98 C99 C100 C101 C102 C103 C104 C105 C106 C107 C108 C109 C110 C111 C112 C113 C114 C115 C116 C117 C118 C119 C120 C121 C122 C123 C124 C125 C126 C127 C128 C129 C130 C131 C132 C133 C134 C135 C136 C137 C138 C139 C140 C141 C142 C143 C144 C145 C146 C148 C149 C150 C151 C152 C153 C154 C155 C156: library part CAP-CER
D1 D2 D3: library part DIODE-SCHOTTKY
D4: library part D_SCHOTTKY_SMA, "Diode Schottky SMD SMA (DO-214AA)"
D5: library part "Diode S4", "Dán", Chung_Loai=Dán, Don_Vi=Con, Ma_Hang=MH005519, Ten_Linh_Kien="Diode S4 SOD123 ( 1N5819 SOD123)"
DS1 DS2 DS3 DS4 DS5 DS6: library part LED
J1 J4 J5 J7 J12: Package=None, Availability=Unavailable, Price=None
  J1: MP=M80-5114242
  J4: MP=532610971
  J5 J7: MP=M80-6661642
  J12: MP=ESQ-107-48-G-D
J2 J8 J9 J10: library part CON-PLG_4X1-50-RA-SMD, "4 Pins, 1 Row 1.25mm Pitch, right angle Connector, male", Alternate Part Number-1=NA, Case/Package=TH-CON, Crimp Part Number=65300113722DEC, Manufacturer=WE, Manufacturer Part Number=653104131822, Mating Part Number=653004113322, Supplier Part Number-1=653104131822, Supplier-1=WURTH
J3: "Conn Shrouded Header (4 Sides) HDR 15 POS 1.25mm Solder RA Side Entry SMD PicoBladeâ„¢ T/R", Package=None, Check_prices=https://www.snapeda.com/parts/532611571/Molex/view-part/?ref=eda, MF=Molex, MP=532611571, SnapEDA_Link=https://www.snapeda.com/parts/532611571/Molex/view-part/?ref=snap
J6: library part "JP 1x5 2.54 Cai Thang", "1X5 2.54", Chung_Loai=Cắm, Don_Vi=Con, Ma_Hang=MH004006, Ten_Linh_Kien="Jump Đơn Cái 2.54MM 1x20P Thẳng"
J11: library part "JP 1x3 2.54 Cai Thang", "1X3 2.54", Chung_Loai=Cắm, Don_Vi=Con, Ma_Hang=MH004006, Ten_Linh_Kien="Jump Đơn Cái 2.54MM 1x20P Thẳng"
JP1 JP2: library part "JP 1x2 2.54 Duc Thang", "Cắm", Chung_Loai=Cắm, Don_Vi=Con, Ma_Hang=MH000903, Ten_Linh_Kien="Jump Đơn Đực 2.54MM 1x40P Thẳng 11MM"
L1: Package="1608 Murata", Availability=Good, Check_prices=https://www.snapeda.com/parts/LQM18PZ2R2MFHD/Murata/view-part/1498702/?ref=eda, MF=Murata, MP=LQM18PZ2R2MFHD, Price=None, Purchase-URL=https://pricing.snapeda.com/search/part/LQM18PZ2R2MFHD/?ref=eda, SnapEDA_Link=https://www.snapeda.com/parts/LQM18PZ2R2MFHD/Murata/view-part/1498702/?ref=snap
L2 L3 L4 L5 L6 L7: library part INDUCT-SMD, Package="1608 Murata", Availability=Good, Check_prices=https://www.snapeda.com/parts/LQM18PZ2R2MFHD/Murata/view-part/1498702/?ref=eda, MF=Murata, MP=LQM18PZ2R2MFHD, Price=None, Purchase-URL=https://pricing.snapeda.com/search/part/LQM18PZ2R2MFHD/?ref=eda, SnapEDA_Link=https://www.snapeda.com/parts/LQM18PZ2R2MFHD/Murata/view-part/1498702/?ref=snap
Q1 Q2 Q3 Q4: library part 2N7002NXAKR, "MOSFET N-Channel Vds=60V Id=300mA with ESD Protection", Manufacturer=Nexperia, Manufacturer Part Number=2N7002NXAKR
R1 R2 R3 R4 R5 R6 R7 R8 R9 R10 R11 R12 R13 R14 R15 R16 R17 R18 R19 R20 R21 R22 R23 R24 R25 R26 R27 R28 R29 R30 R31 R32 R33 R34 R35 R36 R37 R38 R39 R40 R41 R42 R43 R44 R45 R46 R47 R48 R49 R50 R51 R52 R53 R54 R55 R56 R57 R58 R59 R60 R61 R62 R63 R64 R65 R66 R67 R68 R69 R70 R71 R72 R73 R74 R75 R76 R77 R78 R79 R80 R81 R82 R83 R84 R85 R86 R87 R88 R89 R90 R91 R92 R93 R94 R95 R96 R97 R98 R99 R100 R101 R103 R104 R105 R106 R107 R108 R109 R110 R111 R112 R113 R114 R115 R116 R117 R118 R119 R120 R121 R122 R123 R124 R125 R126 R127 R128 R129 R130 R131 R132 R133 R134 R135 R136 R137 R138 R139 R140 R141 R142 R143 R144 R145 R146 R147 R148 R149: library part RES-SMD
R102: library part RES_1206, "Resistor SMD 1206"
U1 U2: library part TPS259472ARPWR, "2.7-V–23-V, 5.5-A, 28-mΩ True Reverse Current Blocking eFuse with / Input Reverse Polarity Protection", Manufacturer="Texas Instruments", Manufacturer Part Number=TPS259472ARPWR
U13 U14 U15 U16: library part TL072CDT, "Dual JFET Low-Noise Operational Amplifiers", Manufacturer=STMicroelectronics, Manufacturer Part Number=TL072CDT
U20: "ARM Cortex-M4 32-bit MCU+FPU, 210 DMIPS, 1024 kB Flash, 192 kB Internal RAM, 82 I/Os, 100-pin LQFP, -40 to 105 degC, Tray", I/Os (High Current)=82, Manufacturer=STMicroelectronics, Operating Frequency(F) (Processor speed) (MHz)=168, Supplier Part Number 1=STM32F407VGT7-ND, Supply Voltage(Vcc) max (V)=3.6, Supply Voltage(Vcc) min (V)=1.8, ComponentLink1Description="Manufacturer URL", ComponentLink1URL=http://www.st.com/web/en/home.html, ComponentLink2Description=Datasheet, ComponentLink2URL=http://www.st.com/st-web-ui/static/active/en/resource/technical/document/datasheet/DM00037051.pdf, ComponentLink3Description="Package Specification", ComponentLink3URL=http://www.st.com/st-web-ui/static/active/en/resource/technical/document/data_brief/DM00071938.pdf, Core="ARM Cortex-M4", D/A Converter=2x12-bit, DatasheetVersion="Rev. 4", FLASH Size (Prog) (kB)=1024, Internal RAM Size (kB)=192, Mounting Technology="Surface Mount", PackageDescription="100-Pin Low Profile Quad Flat Package, 14 x 14 mm Body, 0.5 mm Pitch", PackageReference=LQFP100, PackageVersion="Rev. 1, 06/2013", Packing=Tray, PartNumber=STM32F407VGT7, Supplier 1=Digi-Key, Supplier 2=Farnell, Supplier 3=Newark, Supplier 4=Newark, Supplier 5=Mouser, Supplier Part Number 2=2333298, Supplier Part Number 3=99W9914, Supplier Part Number 4=48W6905, Supplier Part Number 5=511-STM32F407VGT7
X1: library part CRYSTAL-4POS, "Crystal, 8 MHz, -30 to 85 degC, 3.2 x 2.5 x 0.9 mm SMD"

## Via types
v1: diameter 0.4/0.4/0.4/0.4/0.4/0.4 (per signal layer), hole 0.2, L1-SIG to L6-SIG, tented both sides, 612 vias
v2: diameter 0.4, hole 0.2, L1-SIG to L6-SIG, tented both sides, 205 vias
v3: diameter 0.4, hole 0.2, L1-SIG to L2-GND, tented both sides, 46 vias
v4: diameter 0.4, hole 0.2, L5-GND to L6-SIG, tented both sides, 33 vias
v5: diameter 0.4, hole 0.2, L1-SIG to L4-SIG, tented both sides, 32 vias
v6: diameter 0.4, hole 0.2, L4-SIG to L6-SIG, tented both sides, 28 vias
v7: diameter 0.4, hole 0.2, L1-SIG to L3-VCC, tented both sides, 16 vias
v8: diameter 0.4, hole 0.2, L3-VCC to L6-SIG, tented both sides, 14 vias
v9: diameter 0.5, hole 0.2, L1-SIG to L6-SIG, tented both sides, 6 vias
v10: diameter 0.5, hole 0.2, L1-SIG to L2-GND, tented both sides, 6 vias

## Nets (pads, with @x,y where several pads share a name; then routed paths per layer and width w, separated by ;. In a path a pad name is that pad's centre, name@x,y a point inside that pad or via, vN(x,y) a via of type N, cw(c..) or ccw(c..) an arc to the next point about the centre after c; other vN are vias at no path point)
+5v: 10.1 C7.1 C8.1 C12.1 C16.2 C17.1 C71.2 C75.2 C79.2 C121.1 C154.1 D4.K DS2.A J1.13 JP2.1 L1.2 R9.2 R12.2 R42.2 R43.2 R102.1 TVS2.4 TVS2.5 TVS2.6 U2.5 U4.1 U4.2 U11.8 U12.16 U19.6 | length 198.5
  L1-SIG w0.2: R12.2@135.928,90.043 137.729,90.043 137.883,90.197 137.894,90.197 137.994,90.297 v2(138.048,90.297) ; U2.5@137.66,88.403 137.66,89.915 137.758,90.014
  L1-SIG w0.5: v2(162.052,107.442) 163.144,107.442 163.461,107.124 ; R42.2@163.157,111.506 R43.2@163.157,109.982 163.157,108.483 163.436,108.204 C79.2@163.461,108.204 ; U4.2@174.171,92.202 171.196,92.202 170.434,91.44 170.434,90.932 U4.1@174.171,90.932 174.921,90.932 175.302,91.313 DS2.A@177.05,91.313 177.09,91.313 177.905,90.498 187.145,90.498 191.944,95.297 D4.K@194.056,95.297 194.183,95.17 194.183,94.107 197.612,90.678 209.296,90.678 210.312,91.694 210.312,92.698 C154.1@210.3,92.71 C121.1@210.3,94.615 210.325,94.615 210.575,94.865 210.575,94.89 210.955,95.27 210.955,96.552 R102.1@211.05,96.647 ; U19.6@203.385,96.52 203.81,96.52 206.43,93.9 206.43,90.733 206.375,90.678
  L1-SIG w1: v2(143.405,95.885) 143.468,95.948 143.468,99.251 C17.1@143.532,99.314 ; C75.2@163.461,106.045 163.461,107.124 C79.2@163.461,108.204 ; C8.1@168.169,85.09 168.695,84.564 169.88,84.564 170.434,84.01 170.434,85.09 ; 170.434,90.932 170.434,88.646 ; J1.13@170.466,80.391 170.466,84.01 ; C7.1@172.351,85.09 170.434,85.09 ; C16.2@172.351,88.773 170.561,88.773 170.434,88.646 ; 170.434,85.09 170.434,88.646
  L6-SIG w0.5: 158.139,107.442 v2(162.052,107.442) 168.514,107.442 173.848,112.776 U12.16@174.498,112.776 ; 160.552,109.855 10.1@162.91,109.855
  L6-SIG w0.75: 157.353,94.996 157.365,95.008 C71.2@157.365,98.298 157.365,106.668 158.139,107.442 160.552,109.855
  L6-SIG w1: JP2.1@141.604,77.978 141.304,78.278 140.415,78.278 138.048,80.645 v2(138.048,90.297) 138.048,90.678 138.975,91.605 R9.2@140.969,91.605 140.969,93.555 143.299,95.885 v2(143.405,95.885) 143.353,95.937 L1.2@143.353,96.139 143.353,98.855 143.939,99.441 152.654,99.441 153.289,98.806 153.289,96.52 154.813,94.996 157.353,94.996 161.671,94.996 164.719,91.948 164.719,87.249 167.513,84.455 169.086,84.455 170.466,83.075 J1.13@170.466,80.391
+5V_CAM: J1.1 J3.15 | length 26
  L6-SIG w0.5: J1.1@194.466,80.391 208.449,94.374 J3.15@214.643,94.374
  other v4: 208.8,94.615
+12V: C2.1 C6.2 C9.1 D1.2 DS1.A JP1.2 U1.6 U3.7 U9.23 | length 144.8
  L1-SIG w0.3: 160.654,92.837 161.408,92.083 U1.6@161.408,89.281
  L1-SIG w0.5: DS1.A@135.763,81.153 135.763,80.264 135.255,79.756 135.255,77.128 135.802,76.581 143.471,76.581 143.764,76.874 143.764,80.352 144.057,80.645 JP1.2@145.541,80.645 ; 158.114,92.837 160.654,92.837
  L1-SIG w0.75: 155.701,92.837 158.114,92.837
  L1-SIG w1: JP1.2@145.541,80.645 145.541,85.139 144.955,85.725 142.952,85.725 142.366,86.311 142.366,90.219 142.952,90.805 144.955,90.805 145.541,91.391 145.541,95.68 146.127,96.266 152.235,96.266 152.294,96.207 ; v2(152.411,92.837) C9.1@152.421,92.837 155.701,92.837 ; 152.411,96.09 152.294,96.207 ; D1.2@155.987,96.012 155.733,96.266 152.294,96.266 152.294,96.207
  L1-SIG w2: 152.294,96.266 C2.1@152.294,99.06 ; v2(152.411,92.837) 152.411,96.09
  L3-VCC w1: JP1.2@145.541,80.645 163.068,98.172 163.068,138.176 166.936,142.044 166.936,146.881 v8(166.878,146.939)
  L6-SIG w0.3: U9.23@166.546,146.951 166.552,146.945 166.872,146.945 v8(166.878,146.939)
  L6-SIG w1: U3.7@145.541,91.125 v2(145.541,92.768)
+12V_EXP: C1.1 J1.19 J1.20 J1.21 J4.1 J12.02 J12.04 JP1.1 R2.1 TVS1.4 TVS1.5 TVS1.6 U1.5 | length 196.4
  L1-SIG w0.2: J1.21@154.466,80.391 J1.20@156.466,80.391 ; 156.463,84.349 156.465,84.347 156.465,83.058 156.465,80.392 J1.20@156.466,80.391 ; J1.19@158.466,80.391 J1.20@156.466,80.391
  L1-SIG w0.3: 160.908,86.741 U1.5@160.908,89.281
  L1-SIG w0.5: 160.908,85.217 160.908,86.741
  L1-SIG w0.75: 160.908,83.947 160.908,85.217
  L1-SIG w1: C1.1@152.548,89.154 C1.1@152.548,89.114 ; J1.21@154.466,80.391 154.466,80.461 155.161,81.155 155.161,81.661 148.287,81.661 147.701,81.075 147.701,78.838 147.115,78.252 145.688,78.252 JP1.1@145.541,78.105 145.796,77.85 145.796,76.581 146.812,75.565 212.979,75.565 220.599,83.185 220.599,106.426 219.249,107.776 J4.1@214.643,107.776 ; R2.1@155.193,88.392 155.193,88.528 154.607,89.114 C1.1@152.548,89.114 ; 156.465,83.058 153.542,83.058 152.548,84.052 C1.1@152.548,89.114 ; 156.971,82.931 160.322,82.931 160.908,83.517 160.908,83.947
  L3-VCC w1: J12.04@133.223,105.41 J12.02@133.223,102.87 131.699,101.346 131.699,79.375 134.546,76.528 143.964,76.528 JP1.1@145.541,78.105
CAM_CK_N: J1.7 J3.6 | length 42.8
  L6-SIG w0.381: J1.7@182.466,80.391 182.466,80.628 182.862,81.024 182.862,81.639 206.505,105.283 J3.6@214.503,105.283
CAM_CK_P: J1.28 J3.7 | length 44.1
  L6-SIG w0.381: J1.28@182.466,78.391 182.466,78.558 183.497,79.588 183.497,81.376 206.768,104.648 J3.7@214.503,104.648
CAM_D0_N: J1.11 J3.2 | length 53.4
  L6-SIG w0.381: J1.11@174.466,80.391 174.466,80.628 174.862,81.024 174.862,82.024 192.341,99.504 201.486,108.648 203.327,110.49 214.509,110.49 J3.2@214.643,110.624
CAM_D0_P: J1.32 J3.3 | length 54.8
  L6-SIG w0.381: J1.32@174.466,78.391 174.466,78.558 175.497,79.588 175.497,81.761 201.935,108.199 203.59,109.855 213.762,109.855 214.243,109.374 J3.3@214.643,109.374
CAM_D1_N: J1.9 J3.4 | length 47.2
  L6-SIG w0.381: J1.9@178.562,80.487 J1.9@178.466,80.391 178.466,80.628 178.862,81.024 178.862,81.056 205.756,107.95 J3.4@213.988,107.95
CAM_D1_P: J1.30 J3.5 | length 49.1
  L6-SIG w0.381: J1.30@178.466,78.391 178.466,78.558 179.497,79.588 179.497,80.793 206.019,107.315 213.81,107.315 214.033,107.092 214.033,107.084 214.243,106.874 J3.5@214.643,106.874
CAM_IO_0: J1.27 J3.9 | length 41
  L6-SIG w0.2: J1.27@184.466,78.391 185.42,79.345 185.42,81.28 187.833,83.693 190.754,83.693 208.935,101.874 J3.9@214.643,101.874
CAM_IO_1: J1.6 J3.8 | length 40.4
  L6-SIG w0.2: J1.6@184.466,80.391 184.466,81.723 205.867,103.124 J3.8@214.643,103.124
CAM_SCL: J1.5 J3.10 | length 36.9
  L6-SIG w0.2: J1.5@186.466,80.391 186.466,81.056 187.96,82.55 190.627,82.55 208.701,100.624 J3.10@214.643,100.624
CAM_SDA: J1.26 J3.11 | length 37.8
  L6-SIG w0.2: J1.26@186.466,78.391 186.595,78.391 187.452,79.248 187.452,80.772 188.468,81.788 191.135,81.788 208.721,99.374 J3.11@214.643,99.374
CAM_SEL_0: J1.24 J2.1 | length 29.3
  L1-SIG w0.2: J1.24@190.466,78.391 J1.24@191.04,78.391
  L1-SIG w0.3: J1.24@191.04,78.391 191.516,78.867 191.516,82.423 195.844,86.751 J2.1@214.27,86.751
CAM_SEL_1: J1.3 J2.2 | length 28.4
  L1-SIG w0.2: J1.3@190.466,80.391 J1.3@190.622,80.547 ; J2.2@214.153,87.884 J2.2@214.27,88.001
  L1-SIG w0.3: J1.3@190.622,80.547 190.622,83.053 195.453,87.884 J2.2@214.153,87.884
CM4_SCL: J1.2 J3.12 | length 30.2
  L6-SIG w0.2: J1.2@192.466,80.391 192.466,81.468 209.122,98.124 J3.12@214.643,98.124
CM4_SDA: J1.23 J3.13 | length 31
  L6-SIG w0.2: J1.23@192.466,78.391 193.421,79.346 193.421,81.28 209.015,96.874 J3.13@214.643,96.874
"EXP UART RX": R113.2 U20.64 | length 6
  L1-SIG w0.2: U20.64@181.486,129.913 182.398,129.913 182.448,129.963 v2(182.998,129.963)
  L6-SIG w0.2: v2(182.998,129.963) 187.329,129.963 R113.2@187.414,130.048
"EXP UART TX": R114.2 U20.63 | length 6.3
  L1-SIG w0.2: U20.63@181.486,129.413 v2(183.007,129.413)
  L6-SIG w0.2: v2(183.007,129.413) 183.378,129.413 184.267,128.524 R114.2@187.452,128.524